# Altium PCB LimeNet-Micro_2v1.PcbDoc (part 8 of 11) (continued)
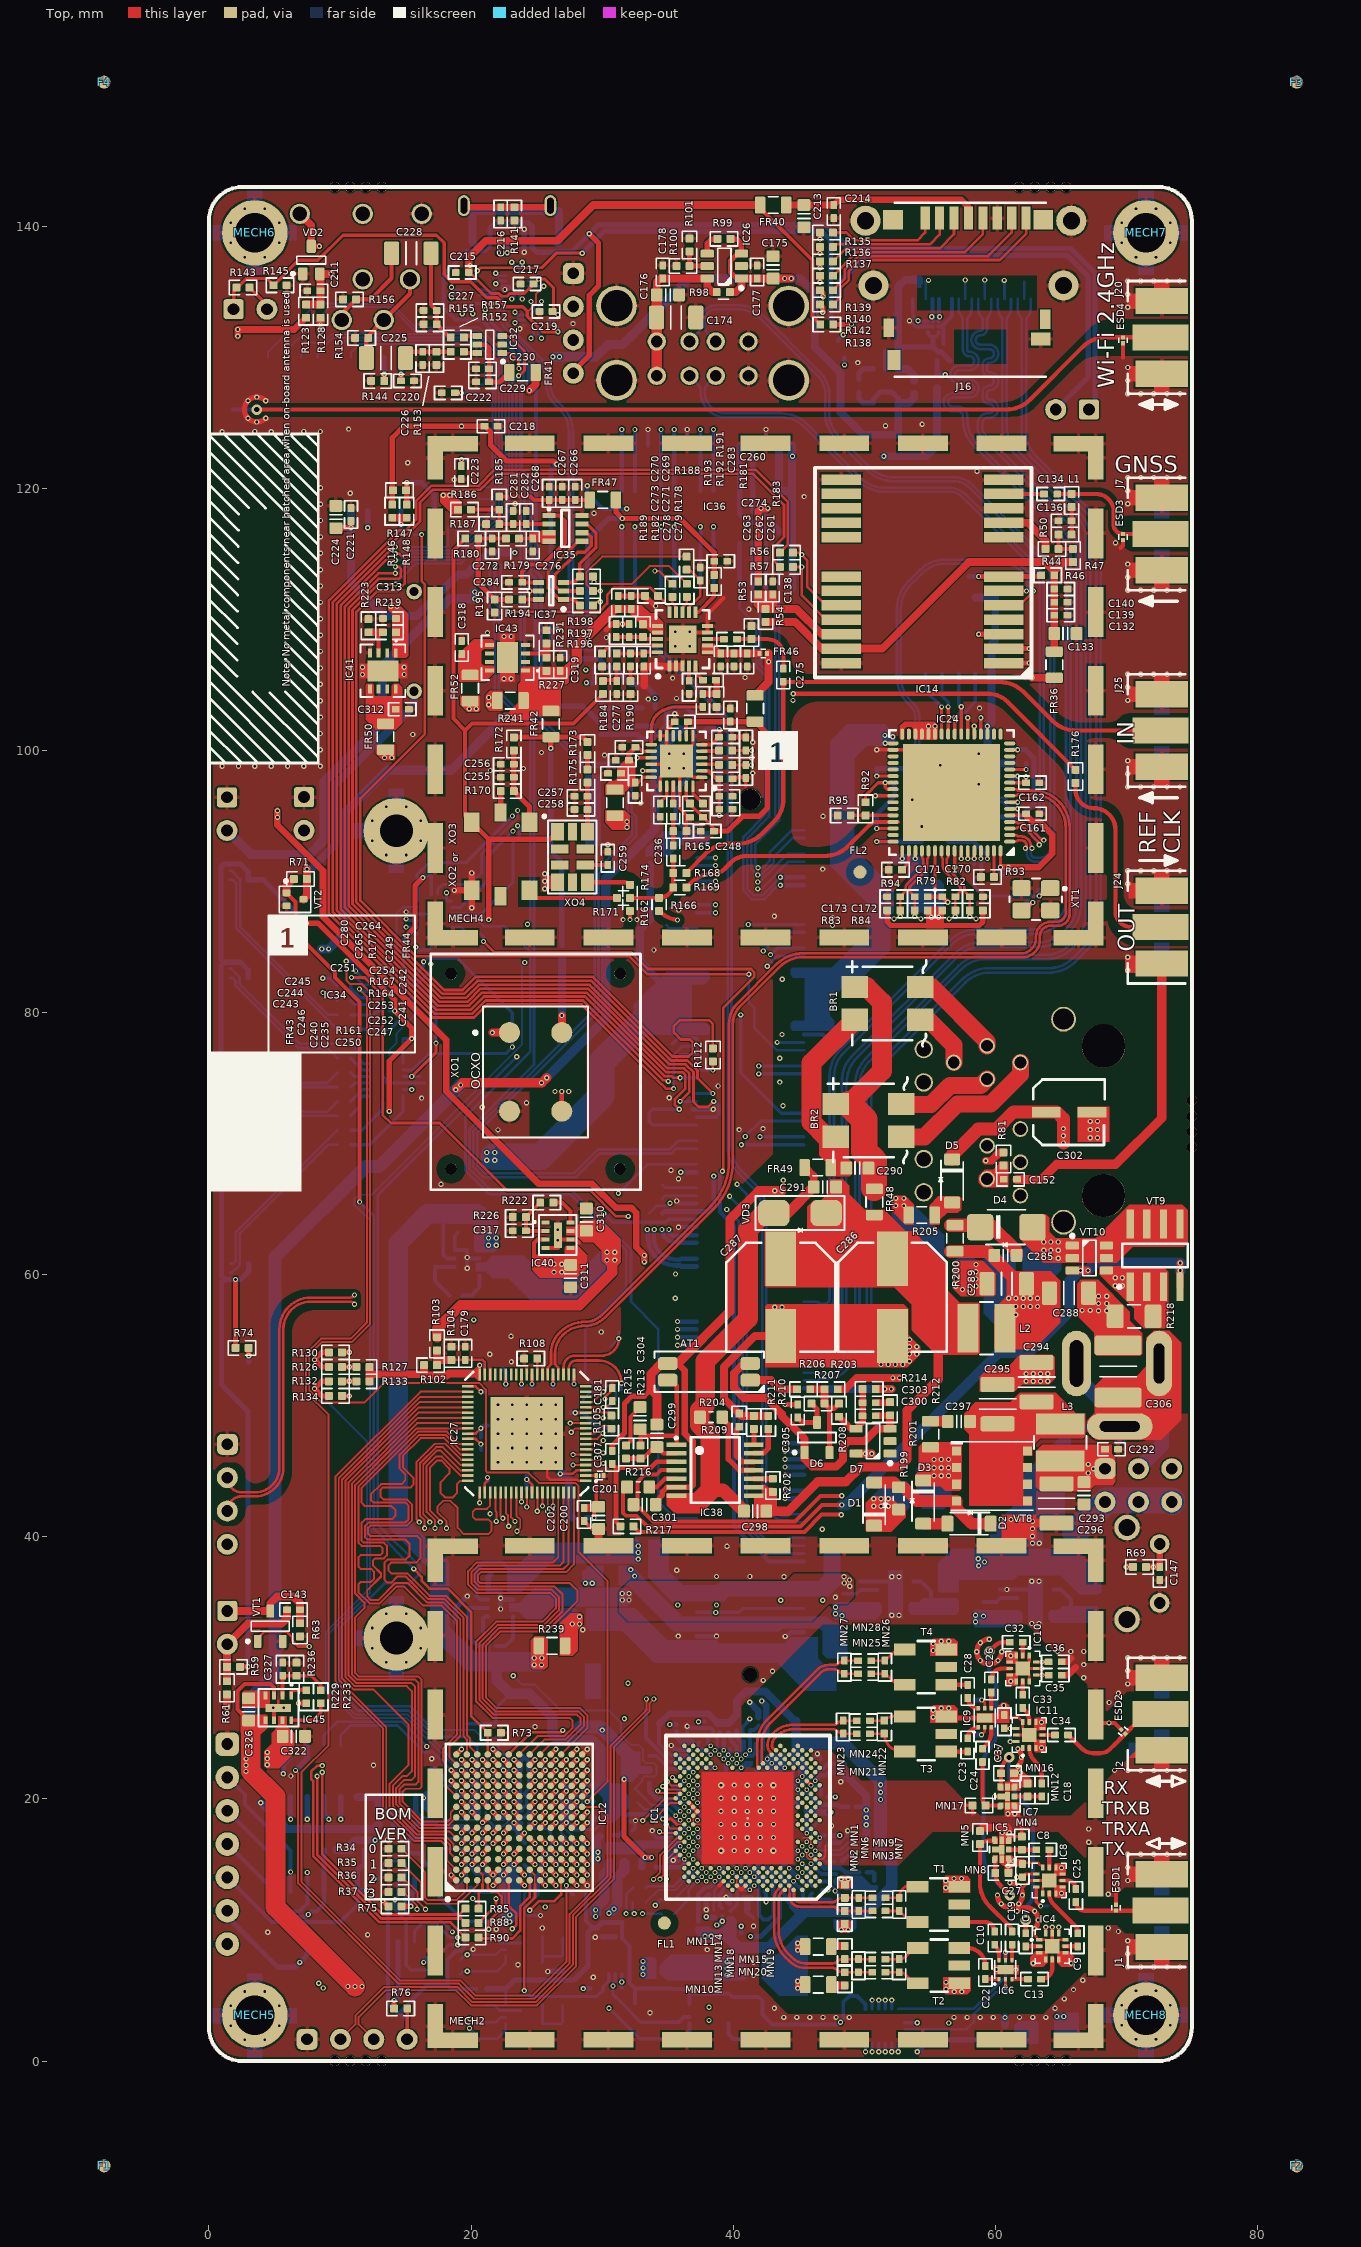
[diagram p0: Top view]
## Nets (pads, with @x,y where several pads share a name; then routed paths per layer and width w, separated by ;. In a path a pad name is that pad's centre, name@x,y a point inside that pad or via, vN(x,y) a via of type N, cw(c..) or ccw(c..) an arc to the next point about the centre after c; other vN are vias at no path point) (continued)
  Bottom w0.25: v1(42.044,70.525) J13.69@45.4,70.525
RAPI_SPI1_SCLK: IC12.G10 J13.71 | length 82.8
  Top w0.4: v1(23.272,21.394) IC12.G10@23.672,20.994
  L3 w0.1: v1(23.272,21.394) 22.875,21.791 22.875,31.675 28.5,37.3 28.5,52.483 25.575,55.408 25.575,64.026 31.464,69.915 31.825,69.915 32.129,69.915 32.433,69.915 cw(c32.433,69.611) 32.737,69.611 32.737,68.078 ccw(c33.041,68.078) 33.041,67.774 ccw(c33.041,68.078) 33.345,68.078 33.345,69.611 cw(c33.649,69.611) 33.649,69.915 cw(c33.649,69.611) 33.953,69.611 33.953,68.078 ccw(c34.257,68.078) 34.257,67.774 ccw(c34.257,68.078) 34.561,68.078 34.561,69.611 cw(c34.865,69.611) 34.865,69.915 cw(c34.865,69.611) 35.169,69.611 35.169,68.795 ccw(c35.473,68.795) 35.473,68.491 ccw(c35.473,68.795) 35.777,68.795 35.777,69.611 cw(c36.081,69.611) 36.081,69.915 cw(c36.081,69.611) 36.385,69.611 36.385,68.078 ccw(c36.689,68.078) 36.689,67.774 ccw(c36.689,68.078) 36.993,68.078 36.993,69.611 cw(c37.297,69.611) 37.297,69.915 37.95,69.915 40.615,69.915 v1(40.625,69.925)
  Bottom w0.25: v1(40.625,69.925) J13.71@45.4,69.925
RAPI_TVDAC: J13.166 J21.1 VD2.3 | length 131.1
  Top w0.4: VD2.3@7.8,138.475 v1(8.425,138.475)
  Top w0.6: J21.1@6.935,140.95 7.8,140.085 VD2.3@7.8,138.475
  L4 w0.2: v1(8.425,138.475) 7.7,138.475 3.35,134.125 3.35,132.025 10.175,125.2 10.175,116.575 10.7,116.05 19.8,116.05 v1(21.825,114.025)
  Bottom w0.2: v1(21.825,114.025) 21.825,111.225 22.1,110.95 22.1,104.55 24.8,101.85 24.8,76.024 19.875,71.099 19.875,68.076 21.526,66.425 27.7,66.425 32.2,61.925 32.2,57.95 34.275,55.875 34.275,42.675 35.525,41.425 J13.166@37.2,41.425
RAPI_UART0_RX: J13.53 J17.3 | length 103.1
  Top w0.15: J17.3@12.575,1.652 11.425,2.802 11.425,3.346 13.479,5.4 18.846,5.4 19.996,4.25 25.025,4.25 28.022,7.247 28.022,11.007 30.9,13.885 30.9,23.946 33.625,26.671 33.625,27.3 v1(33.95,27.625)
  L4 w0.1: v1(33.95,27.625) 33.95,28.467 40.274,34.791 40.274,38.091 44.55,42.367 44.55,47.903 44.178,48.275 44.175,48.275 39.15,53.3 39.15,66.975 41.6,69.425 41.6,74.975 v1(41.95,75.325)
  Bottom w0.25: v1(41.95,75.325) J13.53@45.4,75.325
RAPI_UART0_TX: J13.51 J17.2 | length 103.8
  Top w0.15: J17.2@10.032,1.652 11.175,2.795 11.175,3.45 13.375,5.65 18.95,5.65 20.1,4.5 24.921,4.5 27.772,7.351 27.772,11.11 30.65,13.988 30.65,24.05 33.375,26.775 v1(33.375,27.625)
  L4 w0.1: v1(33.375,27.625) 33.375,28.175 40.074,34.874 40.074,38.173 44.35,42.45 44.35,47.82 44.095,48.075 44.092,48.075 38.95,53.217 38.95,67.058 41.4,69.508 41.4,75.375 v1(41.95,75.925)
  Bottom w0.25: v1(41.95,75.925) J13.51@45.4,75.925
RAPI_UART1_RX: J13.48 R56.1 | length 105.7
  Top w0.2: v1(35.45,74.2) 34.875,74.2 34.525,74.55 34.505,74.55 28.43,80.625 21.223,80.625 20.223,79.625 17.075,79.625 9.15,87.55 9.15,111.45 14.5,116.8 14.984,116.8 15.802,117.618 15.802,119.047 16.955,120.2 20.575,120.2 21.8,121.425 41.714,121.425 44.175,118.964 44.175,115.71 R56.1@43.565,115.1
  Bottom w0.2: v1(35.45,74.2) 35.45,76.25 36.025,76.825 J13.48@37.2,76.825
RAPI_UART1_TX: J13.46 R57.2 | length 105.2
  Top w0.2: v1(35.05,74.75) 34.95,74.85 34.629,74.85 28.554,80.925 21.099,80.925 20.099,79.925 17.199,79.925 9.45,87.674 9.45,111.326 14.624,116.5 15.108,116.5 16.102,117.494 16.102,118.923 17.079,119.9 20.7,119.9 21.925,121.125 41.489,121.125 43.875,118.739 43.875,116.3 43.065,115.49 43.065,114.5 R57.2@43.565,114
  Bottom w0.2: v1(35.05,74.75) 35.05,76.4 36.075,77.425 J13.46@37.2,77.425
RAPI_USB_D_N: IC28.2 J13.167 | length 108
  Bottom w0.2: IC28.2@20.575,134.75 21.009,134.75 ccw(c21.009,134.921) 21.13,134.8 21.325,134.8 cw(c21.325,133.925) 22.2,133.925 22.2,133.19 ccw(c23.564,133.19) 22.599,132.226 25,129.825 cw(c23.25,128.075) 25.725,128.075 ccw(c28.138,128.075) 26.432,126.368 26.728,126.072 cw(c24.932,124.276) 27.472,124.276 27.472,109.128 ccw(c28.95,109.128) 27.536,108.696 ccw(c28.95,109.128) 28.95,107.65 33.123,107.65 cw(c33.123,105.11) 34.568,107.199 cw(c33.123,105.11) 34.919,106.906 38.831,102.994 cw(c37.035,101.198) 39.575,101.198 39.575,69.746 ccw(c42.415,69.746) 40.407,67.738 41.481,66.664 cw(c39.685,64.868) 42.225,64.868 42.225,43.068 ccw(c43.805,43.068) 42.688,41.951 43.045,41.593 ccw(c43.814,42.362) 43.814,41.275 44.15,41.275 44.3,41.125 J13.167@45.4,41.125
RAPI_USB_D_P: IC28.1 J13.165 | length 108
  Bottom w0.2: IC28.1@20.525,135.15 21.009,135.15 cw(c21.009,134.979) 21.13,135.1 21.325,135.1 cw(c21.325,133.925) 22.5,133.925 22.5,133.314 ccw(c23.864,133.314) 22.899,132.35 ; 22.9,132.35 25.212,130.037 cw(c23.25,128.075) 26.025,128.075 ccw(c28.138,128.075) 26.644,126.58 26.94,126.284 cw(c24.932,124.276) 27.772,124.276 27.772,109.128 ccw(c28.95,109.128) 27.825,108.778 ccw(c28.95,109.128) 28.95,107.95 33.123,107.95 cw(c33.123,105.11) 34.667,107.494 cw(c33.123,105.11) 35.131,107.118 39.044,103.205 cw(c37.038,101.199) 39.875,101.199 39.875,69.746 ccw(c42.415,69.746) 40.619,67.95 41.693,66.876 cw(c39.685,64.868) 42.525,64.868 42.525,43.068 ccw(c43.805,43.068) 42.9,42.163 43.17,41.893 ccw(c43.938,42.662) 43.938,41.575 44.15,41.575 44.3,41.725 J13.165@45.4,41.725
RAPI_VBAT: C210.2 J13.197 J13.198 J13.199 J13.200 R119.1 R120.1
RAPI_VCC1P8: C208.2 J13.183 J13.184 J13.185 J13.186 R117.1
RAPI_VCC3P3: C209.2 J13.191 J13.192 J13.193 J13.194 R118.1 R123.2 | length 123.8
  Top w0.5: v1(2.2,131.625) v1(2.2,132.125) 6.507,132.125 R123.2@7.407,133.025 ; v1(5.225,95.4) v1(5.225,94.9) 5.225,94.3 8.7,90.825 8.7,87.31 18.1,77.91 18.1,74.007 25.182,66.925 29.236,66.925 31.036,65.125 32.2,65.125 32.6,64.725 32.6,62.1 v1(33.225,61.475) v1(33.225,60.975)
  L4 w0.5: v1(2.2,132.125) v1(2.2,131.625) 2.2,131.484 9.065,124.619 9.065,98.49 8.825,98.25 6.15,98.25 5.225,97.325 v1(5.225,95.4) v1(5.225,94.9) ; v1(32.475,37) 32.15,37.325 32.15,39.999 32.6,40.449 32.6,50.354 33.613,51.367 33.613,60.412 33.225,60.8 v1(33.225,60.975) v1(33.225,61.475)
  other v1: 32.175,37.5
RAPI_VDAC: C211.2 J13.189 J13.190 R123.1 R128.2 VD2.2 | length 144.5
  Top w0.6: R123.1@7.407,134.025 R128.2@8.507,134.025 8.507,136.318 VD2.2@8.45,136.375 v1(9.3,136.375)
  L4 w0.2: v1(9.3,136.375) 11.619,138.694 28.606,138.694 29.075,138.225 29.075,120.403 v1(28.872,120.2)
  L4 w0.25: v1(31.875,118.45) 31.65,118.45 31.05,117.85 31.05,116.733 33.6,114.183 33.6,110.4 34.05,109.95 34.05,105.375 34.8,104.625 34.8,102.05 35.675,101.175 35.675,97.95 35.225,97.5 35.225,79.414 34.625,78.814 34.625,67.9 37.375,65.15 37.375,35.52 v1(38.67,34.225)
  Bottom w0.25: J13.190@37.2,34.233 40.423,34.233 40.715,34.525 J13.189@45.4,34.525
  Bottom w0.3: v1(28.872,120.2) 28.872,119.603 30.05,118.425 31.85,118.425 v1(31.875,118.45)
REF_ADF: C265.2 IC34.13 | length 6
  Top w0.254: IC34.13@33.75,100.45 33.75,101.623 cw(c35.414,101.623) 34.122,102.672 cw(c35.699,101.095) 34.689,103.084 cw(c35.699,101.095) 35.699,103.325 C265.2@37.688,103.325
REF_CLK_IN: C275.1 J25.1 R168.2 | length 49.1
  Top w0.325: R168.2@36.425,90.65 37.931,92.156 cw(c39.727,90.36) 39.727,92.9 40.398,92.9 ccw(c40.398,95.44) 42.194,93.644 43.081,94.531 ccw(c41.285,96.327) 43.825,96.327 C275.1@43.825,105.25 ccw(c43.85,105.25) 43.85,105.225 60.348,105.225 cw(c60.348,102.685) 62.144,104.481 64.356,102.269 ccw(c66.152,104.065) 66.152,101.525 J25.1@72.6,101.525
REF_CLK_OUT: IC34.17 R176.2 | length 38.3
  Top w0.25: v1(33.088,98.45) IC34.17@33.75,98.45
  Top w0.325: v1(44.575,104.325) 59.473,104.325 cw(c59.473,102.268) 60.928,103.722 R176.2@66.125,98.525
  L3 w0.1: v1(33.088,98.45) 38.219,103.581 cw(c40.015,101.785) 40.015,104.325 v1(44.575,104.325)
RF_OUT_WIFI: ESD4.1 IC30.31 J20.1 | length 72.8
  Top w0.325: v5(3.65,126.02) 60.843,126.02 ccw(c60.843,128.56) 62.619,126.744 ccw(c60.843,128.56) 62.639,126.764 66.693,130.818 cw(c68.4,129.111) 68.4,131.525 ESD4.1@69.75,131.525 J20.1@72.6,131.525
  Bottom w0.325: IC30.31@1.85,126.02 v5(3.65,126.02)
RFSW_RX_V1: C31.2 IC9.5 IC22.6 | length 33.2
  Top w0.2: v1(58.975,27.55) 59.2,27.325 IC9.5@59.2,26.902
  L4 w0.1: v1(50.6,0.7) 50.6,1.517 53.208,4.125 54.383,4.125 55.475,5.217 55.475,19.4 59.35,23.275 59.35,27.175 v1(58.975,27.55)
  Bottom w0.25: v1(50.6,0.7) IC22.6@50.6,1.375
  Bottom w0.4: C31.2@58.475,27.55 v1(58.975,27.55)
RFSW_RX_V2: C30.2 IC9.2 IC22.7 | length 30.4
  Top w0.2: v1(58.95,24.9) 59.2,25.15 IC9.2@59.2,25.452
  L4 w0.1: v1(50.1,0.7) 50.1,1.3 53.125,4.325 54.3,4.325 55.275,5.3 55.275,19.483 58.95,23.158 v1(58.95,24.9)
  Bottom w0.25: v1(50.1,0.7) IC22.7@50.1,1.375
  Bottom w0.4: C30.2@58.45,24.9 v1(58.95,24.9)
RFSW_RXI_V1: C35.2 IC10.10 IC22.5 | length 36.3
  Top w0.25: IC10.10@63.1,29.45 C35.2@64.075,29.45
  L4 w0.1: v1(51.1,0.7) 51.1,1.734 53.291,3.925 54.466,3.925 55.675,5.134 55.675,19.317 59.55,23.192 59.55,25.433 v1(63.567,29.45)
  Bottom w0.25: v1(51.1,0.7) IC22.5@51.1,1.375
RFSW_TRXA_V1: C27.2 IC8.10 IC22.3 | length 22.5
  Top w0.25: v1@61.608,14.025 C27.2@62.075,14.025 62.325,14.275 IC8.10@63.125,14.275
  L4 w0.1: v1(52.1,0.7) 52.1,2.169 53.456,3.525 54.631,3.525 55.156,4.05 57.525,4.05 58.865,5.39 58.865,12.715 60.175,14.025 v1(61.633,14.025)
  Bottom w0.25: v1(52.1,0.7) IC22.3@52.1,1.375
RFSW_TRXB_V1: C37.2 IC11.10 IC22.4 | length 30.9
  Top w0.25: C37.2@60.7,25.375 IC11.10@61.6,25.375
  L4 w0.1: v1(51.6,0.7) 51.6,1.951 53.374,3.725 54.549,3.725 55.875,5.051 55.875,19.234 59.75,23.109 59.75,23.992 v1(61.133,25.375)
  Bottom w0.25: v1(51.6,0.7) IC22.4@51.6,1.375
RFSW_TX_V1: C21.2 IC6.5 IC22.15 | length 11.7
  Top w0.2: IC6.5@60.775,7.7 v1(60.775,8.3)
  Bottom w0.2: IC22.15@52.6,3.975 58.326,3.975 60.775,6.424 C21.2@60.775,7.875
  Bottom w0.4: C21.2@60.775,7.875 v1(60.775,8.3)
RFSW_TX_V2: C20.2 IC6.2 IC22.1 | length 10.2
  Top w0.2: v1(60.775,5.65) IC6.2@60.775,6.25
  Bottom w0.2: IC22.1@53.1,2.425 57.8,2.425 58.375,3 58.375,3.6 60.01,5.235 C20.2@60.775,5.235
  Bottom w0.4: C20.2@60.775,5.235 v1(60.775,5.65)
RFSW_TXO_V1: C11.2 IC4.10 IC22.2 | length 20.1
  Top w0.25: IC4.10@64.85,9.75 v1(64.85,10.217)
  L4 w0.1: v1(52.6,0.7) 52.6,2.386 53.539,3.325 54.714,3.325 55.239,3.85 60.439,3.85 64.85,8.261 v1(64.85,10.217)
  Bottom w0.25: v1@52.6,0.625 IC22.2@52.6,1.375 ; C11.2@64.85,9.675 v1(64.85,10.217)
RX1: C26.1 IC10.5 | length 2
  Top w0.325: C26.1@59.7,29.125 cw(c60.525,29.125) 60.525,29.95 IC10.5@61.1,29.95 IC10.5@61.225,29.95
RX1_H: C28.1 IC9.6 | length 1.3
  Top w0.325: C28.1@57.9,27.7 ccw(c58.698,27.7) IC9.6@58.7,26.902 IC9.6@58.7,26.902
RX1_H_A_N: IC1.AJ15 MN27.1 MN28.2 | length 12.6
  Top w0.2: IC1.AJ15@41.94,22.378 cw(c42.181,22.619) 41.84,22.619 41.84,24.241 cw(c44.38,24.241) 42.584,26.037 46.377,29.83 cw(c47.326,28.881) 47.326,30.223 47.684,30.223 ccw(c47.684,30.842) 48.122,30.404 cw(c48.481,30.045) MN27.1@48.481,30.553 ; MN28.2@49.531,30.553 MN27.1@48.488,30.553 ; MN27.1@48.481,30.553 MN27.1@48.488,30.553 ; MN27.1@48.481,30.553 MN27.1@48.488,30.553
RX1_H_A_P: IC1.AK14 MN25.2 MN27.2 | length 11.8
  Top w0.2: 42.173,23.069 42.173,23.128 ; IC1.AK14@42.273,22.711 cw(c42.514,22.952) 42.173,22.952 42.173,23.128 ; MN25.2@49.531,29.553 48.481,29.553 cw(c48.481,30.061) 48.122,29.702 ccw(c47.684,29.264) 47.684,29.883 47.286,29.883 ccw(c47.286,28.978) 46.646,29.618 44.172,27.144 44.172,27.134 42.829,25.791 ccw(c44.413,24.208) 42.173,24.208 42.173,23.128
RX1_H_B_N: MN26.1 MN28.1 T4.6 | length 2.8
  Top w0.2: MN28.1@50.531,30.553 MN26.1@51.581,30.553 ; MN26.1@51.631,30.553 52.389,31.311 cw(c53.021,30.68) T4.6@53.021,31.573
RX1_H_B_P: MN25.1 MN26.2 T4.4 | length 2.8
  Top w0.2: MN25.1@50.531,29.553 50.931,29.553 MN26.2@51.581,29.553 ; MN26.2@51.631,29.553 52.407,28.777 ccw(c52.996,29.366) T4.4@52.996,28.533
RX1_L: C23.1 IC9.1 | length 1.3
  Top w0.325: C23.1@57.881,24.625 57.881,24.633 cw(c58.7,24.633) IC9.1@58.7,25.452
RX2_L_A_N: IC1.AM12 MN23.1 MN24.2 | length 8.5
  Top w0.2: IC1.AM12@42.939,23.377 42.904,23.411 cw(c43.062,23.569) 42.839,23.569 42.804,23.605 cw(c43.244,24.046) 42.621,24.046 42.621,24.089 cw(c43.806,24.089) 42.968,24.927 43.096,25.055 cw(c44.527,23.623) 44.527,25.648 47.63,25.648 ccw(c47.63,26.156) 47.989,25.797 ; 48.022,25.829 cw(c48.381,25.47) MN23.1@48.381,25.978 ; MN23.1@48.388,25.978 MN24.2@49.431,25.978
RX2_L_A_P: IC1.AN11 MN21.2 MN23.2 | length 7.7
  Top w0.2: IC1.AN11@43.272,23.71 43.237,23.744 ccw(c43.079,23.586) 43.079,23.81 43.044,23.845 cw(c43.244,24.046) 42.961,24.046 42.961,24.089 cw(c43.806,24.089) 43.208,24.687 43.336,24.814 cw(c44.527,23.623) 44.527,25.308 47.63,25.308 cw(c47.63,24.8) 47.989,25.159 48.022,25.127 ccw(c48.381,25.486) 48.381,24.978 MN23.2@48.388,24.978 MN21.2@49.431,24.978
RX2_L_B_N: MN22.1 MN24.1 T3.6 | length 2.7
  Top w0.2: MN24.1@50.431,25.978 MN22.1@51.531,25.978 cw(c52.303,25.205) 52.303,26.298 T3.6@53.091,26.298
RX2_L_B_P: MN21.1 MN22.2 T3.4 | length 3.4
  Top w0.2: MN21.1@50.431,24.978 MN22.2@51.531,24.978 ; T3.4@53.091,23.608 52.901,23.608 cw(c52.901,24.978) MN22.2@51.531,24.972 ; MN22.2@51.531,24.972 cw(c52.901,24.978) MN22.2@51.531,24.978 ; MN22.2@51.531,24.972 MN22.2@51.531,24.978
RX_IN: C33.1 IC11.8 | length 1.3
  Top w0.325: C33.1@62.1,26.95 62.193,26.857 cw(c61.212,25.875) IC11.8@62.6,25.875 IC11.8@62.6,25.75
RXA_DUP: C32.1 IC5.3 MN8.2 | length 24.7
  Top w0.325: v5(59.537,31.237) 60.001,31.701 cw(c60.602,31.101) 60.602,31.95 C32.1@61.1,31.95 ; IC5.3@60,15.45 MN8.2@60,14.35 ccw(c61.381,14.35) 60.404,13.374 v5(61.117,12.661)
  Bottom w0.325: v5(59.537,31.237) 59.537,29.932 ccw(c60.168,29.932) 59.722,29.486 cw(c58.887,28.652) 59.969,29.123 cw(c58.887,28.652) 60.067,28.652 60.067,25.054 cw(c58.301,25.054) 59.55,23.805 ccw(c60.636,22.719) 59.1,22.719 59.1,15.73 ccw(c61.64,15.73) 59.844,13.934 v5(61.117,12.661)
RXB_DUP: C24.1 IC7.3 MN17.2 | length 4.6
  Top w0.325: C24.1@59.025,22.825 59.025,20.056 ccw(c59.804,20.056) MN17.2@59.253,19.505 IC7.3@60.428,19.505
RXPLL_CLK: C242.2 IC1.AM24 R167.1 | length 87
  Top w0.254: R167.1@39.925,100 v1(41.4,100)
  L3 w0.1: v2(38.943,23.377) 38.943,28.516 cw(c41.483,28.516) 39.687,30.312 44.556,35.181 ccw(c42.76,36.977) 45.3,36.977 45.3,46.848 ccw(c42.76,46.848) 44.556,48.644 40.994,52.206 cw(c42.79,54.002) 40.25,54.002 40.25,64.723 cw(c42.79,64.723) 40.994,66.519 43.75,69.275 ccw(c42.492,70.533) 44.271,70.533 44.271,95.489 ccw(c42.06,95.489) 42.06,97.7 41.25,97.7 cw(c41.25,98.475) 40.475,98.475 40.475,99.282 cw(c41.243,99.282) 40.7,99.825 cw(c41.122,99.403) 41.122,100 v1(41.4,100)
SR0_DOUT: IC15.9 IC17.14 | length 5.9
  Bottom w0.15: IC15.9@13.759,76.725 13.759,77.134 14.3,77.675 14.3,78.375 15.675,79.75 15.675,80.85 15.4,81.125 IC17.14@14.808,81.125
SR1_DOUT: IC17.9 IC19.14 | length 5.9
  Bottom w0.15: IC17.9@13.758,83.725 13.758,84.058 14.325,84.625 14.325,87.575 14.8,88.05 15.875,88.05 IC19.14@15.9,88.025
SR2_DOUT: IC19.9 IC22.14 | length 124.5
  L4 w0.1: v1(15.775,85) 12.515,85 10.5,82.985 10.5,74.252 7.075,70.827 7.075,29.276 15.2,21.151 15.2,14.909 18.484,11.625 22.408,11.625 23.008,12.225 25.799,12.225 26.025,11.999 26.025,11.764 29.474,8.315 36.501,8.315 37.066,7.75 38.516,7.75 38.941,8.175 41.869,8.175 42.425,7.619 42.425,6.644 44.643,4.425 48.857,4.425 49.017,4.265 51.715,4.265 v1(52.1,4.65)
  Bottom w0.25: v1(15.775,85) 16.025,84.75 16.75,84.75 16.95,84.95 IC19.9@16.95,85.425 ; IC22.14@52.1,3.975 v1(52.1,4.65)
SR3_DOUT: IC22.9
SR_DIN: IC12.B7 IC15.14 | length 67.3
  Top w0.4: v1(19.272,18.994) IC12.B7@19.672,18.594
  L4 w0.1: v1(15.475,74.125) 10.983,74.125 8.428,71.57 8.428,50.93 7.711,50.213 7.711,32.464 10.55,29.625 10.55,27.251 18.808,18.994 v1(19.272,18.994)
  Bottom w0.25: IC15.14@14.809,74.125 v1(15.475,74.125)
SR_LATCH: IC12.D6 IC15.12 IC17.12 IC19.12 IC22.12 R51.1 | length 151.9
  Top w0.25: v1(15.475,75.125) 17.325,76.975 v1(17.325,77.675)
  Top w0.4: v1(20.872,17.394) IC12.D6@21.272,17.794
  L4 w0.1: v1(15.038,87.15) 16.1,87.15 16.925,86.325 v1(16.925,83.7) ; v1(15.475,75.125) 14.684,74.334 10.909,74.334 7.48,70.905 7.48,32.03 ; v1(20.872,17.394) 20.241,18.025 18.091,18.025 17.575,18.541 17.575,19.908 10.35,27.133 10.35,29.525 7.845,32.03 7.48,32.03 ; v1(51.1,4.65) 50.75,5 44.634,5 42.825,6.809 42.825,7.784 42.034,8.575 38.775,8.575 38.35,8.15 37.231,8.15 36.666,8.715 29.64,8.715 26.425,11.93 26.425,12.164 25.964,12.625 22.842,12.625 22.242,12.025 18.65,12.025 15.6,15.075 15.6,21.317 9.95,26.967 9.95,28.725 7.275,31.4 7.275,31.825 7.48,32.03
  Bottom w0.25: IC17.12@14.808,82.125 15.85,82.125 ; IC15.12@14.809,75.125 v1(15.475,75.125) R51.1@16.1,75.125 ; v1(15.038,87.15) 15.163,87.025 IC19.12@15.9,87.025 ; v1(16.925,83.7) 16.925,83.2 15.85,82.125 ; v1(17.325,77.675) 17.325,80.65 15.85,82.125 ; IC22.12@51.1,3.975 v1(51.1,4.65)
SR_SCLK: IC12.B9 IC15.11 IC17.11 IC19.11 IC22.11 R38.2 | length 163.1
  Top w0.4: v1(19.272,20.594) IC12.B9@19.672,20.194
  L3 w0.1: v1(9.565,28.55) 9.75,28.735 9.75,58.55 10.6,59.4 20.85,59.4 21.942,60.492 21.944,60.492 23.031,61.579 23.031,76.684 23.15,76.803 v1(23.15,77.375)
  L4 w0.1: v1(9.565,28.55) 9.565,27.069 15.4,21.234 15.4,14.992 18.567,11.825 22.325,11.825 22.925,12.425 25.881,12.425 26.225,12.081 26.225,11.847 29.557,8.515 36.584,8.515 37.149,7.95 38.433,7.95 38.858,8.375 41.952,8.375 42.625,7.702 42.625,6.727 44.702,4.65 v1(50.6,4.65) ; v1(15.038,86.525) 16.05,86.525 16.625,85.95 16.625,84.125 v1(16.375,83.875)
  Bottom w0.2: v1(9.565,28.55) 11.365,26.75 15.226,26.75 17.232,24.744 R38.2@19.672,24.744 20.472,23.944 20.472,21.228 20.238,20.994 19.672,20.994 v1(19.272,20.594)
  Bottom w0.25: IC17.11@14.808,82.625 15.475,82.625 16.375,83.525 v1(16.375,83.875) 16.625,84.125 19,84.125 23.15,79.975 v1(23.15,77.375) 22.65,76.875 16.8,76.875 15.55,75.625 IC15.11@14.809,75.625 ; v1(15.038,86.525) IC19.11@15.9,86.525 ; IC22.11@50.6,3.975 v1(50.6,4.65)
TCXO_DAC_VREF: C281.2 C282.1 IC35.2 R185.1 R186.1 R187.1 | length 7
  Top w0.3: R186.1@20,118.375 R185.1@22.15,118.375 R187.1@22.15,117.275 C281.2@23.2,117.275 C282.1@24.2,117.275 IC35.2@25.95,117.275
TRXA: C25.1 ESD1.1 J1.1 | length 6.8
  Top w0.325: C25.1@66.15,12.125 ccw(c66.8,12.125) 66.8,11.475 J1.1@72.6,11.475
TRXA_DUP: C8.1 IC8.8 | length 1.5
  Top w0.325: IC8.8@64.125,14.65 IC8.8@64.125,14.775 C8.1@64.125,16.125
TRXB: C34.1 ESD2.1 J2.1 | length 8.4
  Top w0.325: C34.1@65.588,24.863 66.595,23.855 ccw(c67.475,24.734) 67.475,23.49 67.998,23.49 ccw(c67.998,24.558) 68.752,23.802 ; 68.753,23.803 69.122,24.172 ; 69.12,24.17 ccw(c67.475,25.821) 69.122,24.172 ; 69.123,24.173 cw(c67.475,25.821) 69.122,24.172 ; 69.462,24.513 71.301,26.351 cw(c71.6,26.053) J2.1@71.6,26.475 ; ESD2.1@69.925,24.975 69.122,24.172
TRXB_DUP: C18.1 IC11.2 | length 3.1
  Top w0.325: IC11.2@62.6,24 IC11.2@62.6,23.875 ccw(c63.988,23.875) 63.007,22.893 cw(c61.687,21.574) 63.553,21.574 C18.1@63.553,21.18
TX1: C13.1 IC4.5 | length 2.1
  Top w0.325: C13.1@63.5,6.25 ccw(c63.5,7.1) 64.35,7.1 IC4.5@64.35,7.75 IC4.5@64.35,7.875
TX1_1: C10.1 IC6.6 | length 1.3
  Top w0.325: C10.1@59.95,8.875 cw(c59.165,8.09) 60.275,8.09 IC6.6@60.275,7.7
TX1_1_A_N: IC1.A7 MN1.1 MN6.1 MN9.2 | length 6.8
  Top w0.2: IC1.A7@44.604,13.004 44.638,12.97 44.638,12.578 ccw(c45.097,12.578) 45.097,12.119 47.571,12.119 ccw(c47.571,12.627) 47.93,12.268 47.962,12.3 cw(c48.321,11.941) 48.321,12.449 MN1.1@48.511,12.449 ; IC1.A7@44.604,13.054 IC1.A7@44.639,13.019 ; MN1.1@48.518,12.449 MN6.1@49.576,12.449 MN9.2@50.626,12.449
TX1_1_A_P: IC1.B8 MN2.1 MN3.1 MN6.2 | length 7.6
  Top w0.11: 44.271,12.819 44.271,13.031 IC1.B8@44.271,13.387
  Top w0.2: 44.295,12.783 44.295,12.578 ccw(c45.094,12.578) 45.094,11.779 47.571,11.779 cw(c47.571,11.271) 47.93,11.63 47.962,11.598 ccw(c48.321,11.957) 48.321,11.449 MN2.1@48.511,11.449 ; MN2.1@48.526,11.449 48.926,11.449 MN6.2@49.576,11.449 MN3.1@50.626,11.449
TX1_1_B_N: MN7.2 MN9.1 T1.6 | length 2.7
  Top w0.2: MN9.1@51.626,12.449 MN7.2@52.676,12.449 cw(c53.696,12.449) T1.6@53.696,13.469
TX1_1_B_P: MN3.2 MN7.1 T1.4 | length 2.8
  Top w0.2: MN3.2@51.626,11.449 MN7.1@52.676,11.449 53.452,10.673 ccw(c54.041,11.262) T1.4@54.041,10.429
TX1_2: C22.1 IC6.1 | length 1
  Top w0.325: C22.1@59.25,6.25 IC6.1@60.225,6.25
TX2_1_A_N: IC1.B10 MN13.1 MN18.2 MN20.1 | length 12.8
  Top w0.2: IC1.B10@43.605,13.387 43.57,13.352 ccw(c43.728,13.194) 43.505,13.194 43.47,13.159 ccw(c44.284,12.344) 43.132,12.344 43.132,9.944 ccw(c45.947,9.944) 43.957,7.953 44.297,7.613 ccw(c45.526,8.841) 45.526,7.104 47.571,7.104 cw(c47.571,6.596) 47.93,6.955 47.962,6.923 ccw(c48.321,7.282) 48.321,6.774 MN13.1@48.511,6.774 MN18.2@49.561,6.774 MN20.1@50.611,6.774
TX2_1_A_P: IC1.A9 MN14.1 MN15.2 MN18.1 | length 12
  Top w0.2: IC1.A9@43.938,13.054 43.903,13.019 cw(c43.745,13.177) 43.745,12.954 43.71,12.918 ccw(c44.284,12.344) 43.472,12.344 43.472,9.944 ccw(c45.947,9.944) 44.197,8.194 44.538,7.853 ccw(c45.526,8.841) 45.526,7.444 47.571,7.444 ccw(c47.571,7.952) 47.93,7.593 47.962,7.625 cw(c48.321,7.266) 48.321,7.774 MN14.1@48.511,7.774 48.911,7.774 MN18.1@49.561,7.774 MN15.2@50.611,7.774
TX2_1_B_N: MN19.1 MN20.2 T2.4 | length 2.9
  Top w0.2: MN20.2@51.611,6.774 52.011,6.774 MN19.1@52.661,6.774 cw(c52.661,6.033) 53.185,6.557 53.524,6.217 ccw(c54.221,6.914) T2.4@54.221,5.929
TX2_1_B_P: MN15.1 MN19.2 T2.6 | length 2.9
  Top w0.2: MN15.1@51.611,7.774 MN19.2@52.661,7.774 ccw(c52.661,8.514) 53.185,7.991 53.524,8.33 cw(c54.221,7.633) T2.6@54.221,8.619
TX_OUT: C9.1 IC8.2 | length 4
  Top w0.325: IC8.2@64.125,12.77 ccw(c65.32,12.77) 64.475,11.925 66.138,10.262 cw(c65.626,9.75) C9.1@66.35,9.75 ; IC8.2@64.125,12.775 IC8.2@64.125,12.9
TXA_DUP: C19.1 IC5.1 MN5.2 | length 8.8
  Top w0.325: IC5.1@60,16.8 59.429,16.8 ccw(c59.429,15.946) MN5.2@58.825,16.55 58.825,13.602 ccw(c61.365,13.602) 59.569,11.806 61.119,10.256 cw(c60.739,9.875) C19.1@61.277,9.875
TXB_DUP: C7.1 IC7.1 MN16.2 | length 16.5
  Top w0.325: IC7.1@60.428,20.855 MN16.2@60.428,21.955 cw(c61.9,21.955) v5@60.859,22.996 ; v5(61.052,23.164) 61.052,23.173 v5@61.117,23.238 ; C7.1@62.325,9.75 v5(62.325,10.758)
  Bottom w0.325: v5(61.052,23.164) 61.052,21.913 ccw(c63.592,21.913) 61.796,20.117 62.131,19.782 cw(c60.335,17.986) 62.875,17.986 62.875,12.753 cw(c61.765,12.753) 62.55,11.968 ccw(c63.093,11.425) 62.325,11.425 v5(62.325,10.758)
TXPLL_CLK: C241.2 IC1.E5 R164.1 | length 93.4
  Top w0.254: R164.1@39.925,98.9 v1@41.388,98.9
  L3 w0.1: v1(41.4,98.9) 42.148,98.9 cw(c42.148,96.36) 43.944,98.156 44.331,97.769 cw(c42.535,95.973) 45.075,95.973 45.075,70.427 cw(c42.535,70.427) 44.331,68.631 42.019,66.319 ccw(c43.815,64.523) 41.275,64.523 41.275,54.802 ccw(c43.815,54.802) 42.019,53.006 45.481,49.544 cw(c43.685,47.748) 46.225,47.748 46.225,26.216 ccw(c47.591,26.216) 46.625,25.25 cw(c45.84,24.465) 46.95,24.465 46.95,20.418 cw(c46.182,20.418) 46.725,19.875 ccw(c47.087,19.513) 46.575,19.513 46.575,18.878 ccw(c48.182,18.878) 47.046,17.742 cw(c46.251,16.947) 47.136,17.64 cw(c46.251,16.947) 47.375,16.947 47.375,16.2 cw(c45.561,16.2) 45.561,14.386 v2(45.27,14.386)
USB_BOOT: J14.2 R121.2 R122.2 R125.1 VT3.G VT5.G | length 133.4
  L3 w0.3: v1(21.075,133.625) 21.075,133.2 20.375,132.5 19.175,132.5 18.6,133.075 18.6,133.7 19.1,134.2 19.1,137.075 20.875,138.85 35.875,138.85 43.65,131.075 59.555,131.075 J14.2@64.61,126.02
  Bottom w0.3: v1(21.075,133.625) 21.075,133.141 24.95,129.266 24.95,113.664 25.325,113.289 25.325,104.55 R122.2@26.5,103.375
  Bottom w0.4: R122.2@26.5,103.375 27.925,103.375 28.548,103.375 VT3.G@29.415,102.508 30.055,101.868 R121.2@33.768,101.868 ; R121.2@33.768,101.818 R121.2@33.875,101.925 ; VT5.G@48.003,133.803 48.003,135.628 50.175,137.8 65.475,137.8 67.1,136.175 67.1,128.51 J14.2@64.61,126.02
VCC1P4_LMS: C321.2 FR29.2 FR30.2 FR31.2 FR32.2 FR33.2 FR34.2 IC44.1 R22.1 R228.1 | length 58.5
  L3 w1.1: 39.05,10.35 40.875,8.525 42.4,8.525 45.1,11.225 47.85,11.225 50.8,14.175 50.8,17.075
  L4 w0.8: 30.725,11.325 31.775,10.275 38.762,10.275 v1@39.081,10.594
  L5 w0.5: v1(41.266,27.369) 41.266,27.059 42.25,26.075 45.725,26.075 50.15,21.65 v1(50.15,19.15) v1(50.15,18.575) v1(50.15,18.025)
  Bottom w0.3: R228.1@59.088,34.036 59.137,33.987 59.538,33.586 C321.2@60.163,33.586 60.602,34.025 IC44.1@61.683,34.025
  Bottom w0.35: v1(39.156,10.669) FR34.2@39.156,11.048 ; FR31.2@49.342,19.413 50.112,19.413 50.15,19.375
  Bottom w0.4: v1(38.75,10.375) 38.862,10.375 v1(39.156,10.669)
  Bottom w0.5: v1(41.266,27.369) 41.9,26.735 FR30.2@41.9,26.225
  Bottom w0.6: FR33.2@48.381,22.673 48.381,22.035 50.15,20.265 50.15,19.375 50.15,16.825
  Bottom w0.8: v1@30.65,11.425 31.15,11.925 31.15,14.002 31.697,14.549 R22.1@31.697,15.094
  other v1: 30.525,11.275 30.9,11.6 58.488,33.511 59.1,33.95 58.488,34.011
VCC1P8: C119.2 C120.1 C121.1 C122.1 C218.2 C324.2 IC12.F2 IC12.G3 IC30.17 IC46.3 IC46.5 J3.6 J4.4 R26.2 R28.2 R29.1 R43.2 R69.1 R117.2 R124.1 R131.1 R146.1 R147.1 R151.1 R235.2 | length 248.5
  Top w0.4: R146.1@13.985,118.76 13.985,123.86 14.875,124.75 v1(19.265,124.75) C218.2@21.02,124.75 21.475,124.295 21.475,123.325 22.7,122.1 26.275,122.1 v1(26.525,121.85) ; v1(22.472,14.194) IC12.F2@22.872,14.594 ; v1(23.272,14.994) IC12.G3@23.672,15.394
  Top w0.5: v1(70,37.7) R69.1@70.5,37.7
  L3 w0.5: v1(33.122,7.6) v1(33.122,6.6) 34.797,4.925 43.52,4.925 44.295,4.15 49.525,4.15 49.975,3.7 55.655,3.7 v1(56.455,2.9)
  L4 w0.4: v1(6.925,7.525) 7.425,7.025 19.173,7.025 19.623,7.475 21.825,7.475 24.2,9.85 ; v1(28.55,5.525) 28.55,7.175
  L4 w0.5: v1(32.75,38.3) v1(32.75,38.8) v1(32.75,39.3) 33.979,40.529 33.979,50.479 36.375,52.875 36.375,64.05 35.15,65.275 35.15,65.55 33.979,66.721 33.979,79.154 34.525,79.7 34.525,100.835 34.075,101.285 v1@34.075,103.975 ; v1(56.455,2.9) 56.705,2.65 65.725,2.65 67.75,4.675 67.75,35.45 v1(70,37.7)
  L4 w1.2: v1@23.008,10.991 23.609,10.991 24.25,10.35 24.25,9.825 26.725,7.35 32.88,7.35 33.122,7.108 33.122,6.9
  Bottom w0.2: R151.1@33.575,64.675 34.15,65.25 34.975,65.25 v1(35.175,65.45)
  Bottom w0.3: IC46.3@21.3,35.225 20.7,35.225 20.425,35.5 20.425,37.5 20.95,38.025 22.375,38.025 C324.2@23.225,37.175
  Bottom w0.35: R29.1@19.978,13.222 20.3,12.9 22.175,12.9 C119.2@22.575,12.5
  Bottom w0.4: J3.6@1.4,11.464 1.4,11 5.25,7.15 6.55,7.15 v1(6.925,7.525) 7.5,8.1 J4.4@7.5,8.978 ; v1(19.265,124.75) IC30.17@20.55,124.75 ; v1(26.525,121.85) 26.1,121.425 26.1,108.425 27.525,107 29.725,107 R131.1@30.4,106.325 30.875,106.325 32.15,105.05 33.225,105.05 34.035,104.24 v1(34.035,103.975) R124.1@34.035,103.235 ; v1(28.55,5.525) R43.2@29.075,5.525
  Bottom w0.6: R26.2@9.725,16.094 R28.2@10.825,16.094 10.825,16.535 11.14,16.85 v1(12.675,16.85)
  Bottom w1: 22.775,10.825 22.775,12.547 23.272,13.044 23.272,13.844 22.947,14.169
  other v1: 33.125,7.105 22.95,10.625 22.5,10.85 22.95,11.149
VCC1P8_2: C326.2 FR45.1 FR54.1 IC45.3 IC45.5 R235.1 | length 158.8
  Top w0.3: C326.2@3.025,25.975 2.175,26.825 2.175,28.25 2.7,28.775 4.7,28.775 4.975,28.5 IC45.3@4.975,27.9
  Top w0.7: v1@18.9,74.2 19.35,74.65 v1(25.375,74.65) 25.4,74.65 v1(25.775,75.025)
  Top w1.5: 3.175,25.479 3.175,22.104 5.075,20.204 5.075,11.75 v1(11.137,5.688)
  L4 w1.5: v1@11.137,5.675 19.9,5.675 22.6,2.975 31.125,2.975 33.15,5 35.375,5 35.85,5.475 38.477,5.475 v1(39.547,6.545) 39.55,6.548 v1(39.55,7.05)
  Bottom w0.7: v1(25.375,74.65) 30.275,79.55 30.275,90.225 34.025,93.975 34.025,99.673 FR45.1@35.952,101.6
  Bottom w1: 3.125,22.409 3.125,27.625 5.05,29.55 5.05,61.35 11.95,68.25 12.975,68.25 v1(19.2,74.475)
  other v1: 10.6,5.688 11.675,5.688 39.547,7.545 2.825,22.1 2.825,22.575 2.833,23.05 18.825,74.125